# Altium PCB CSI2-ZCU106-EVK_Rev01.PcbDoc (part 3 of 4) (continued)
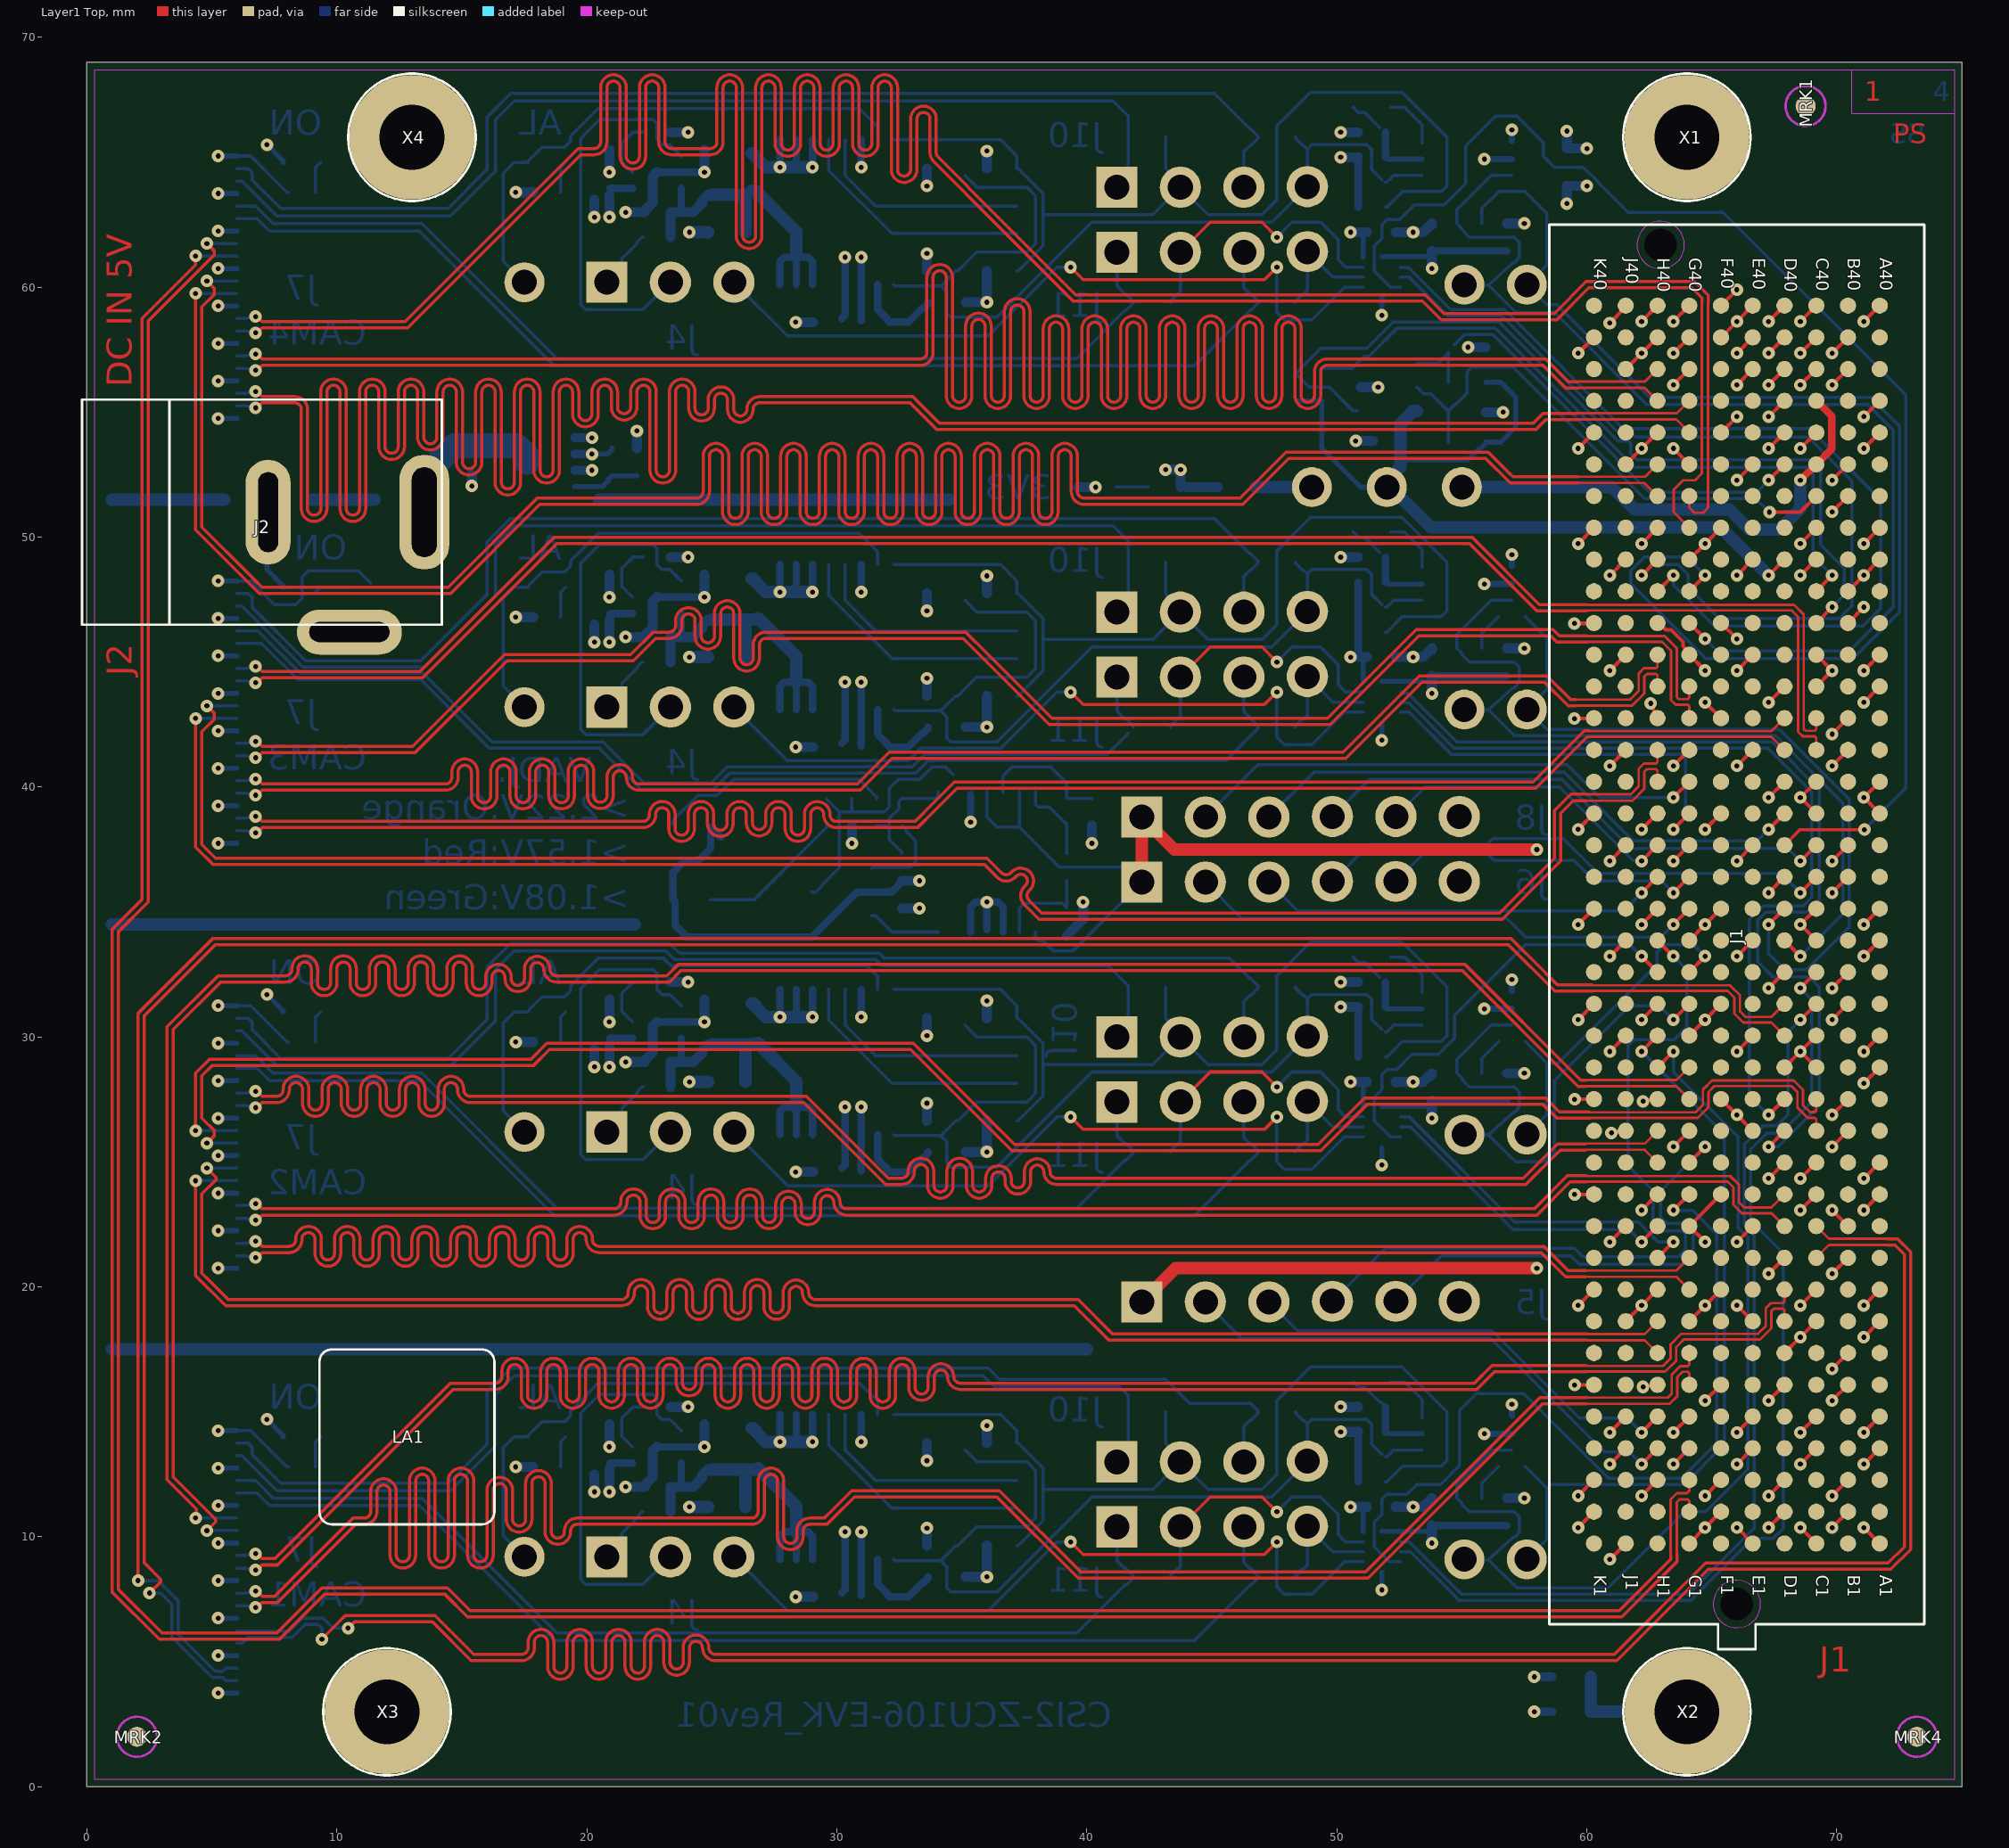
[diagram p0: Layer1 Top view]
## Nets (pads, with @x,y where several pads share a name; then routed paths per layer and width w, separated by ;. In a path a pad name is that pad's centre, name@x,y a point inside that pad or via, vN(x,y) a via of type N, cw(c..) or ccw(c..) an arc to the next point about the centre after c; other vN are vias at no path point) (continued)
  Layer4 Bottom w0.2: v1(5.25,3.75) J7_CAM1.22@6,3.75 ; v1(5.25,5.25) J7_CAM1.19@6,5.25 ; v1(5.25,6.75) J7_CAM1.16@6,6.75 ; v1(5.25,8.25) J7_CAM1.13@6,8.25 ; v1(5.25,9.75) J7_CAM1.10@6,9.75 ; v1(5.25,20.75) J7_CAM2.22@6,20.75 ; v1(5.25,22.25) J7_CAM2.19@6,22.25 ; v1(5.25,23.75) J7_CAM2.16@6,23.75 ; v1(5.25,25.25) J7_CAM2.13@6,25.25 ; v1(5.25,26.75) J7_CAM2.10@6,26.75 ; v1(5.25,37.75) J7_CAM3.22@6,37.75 ; v1(5.25,39.25) J7_CAM3.19@6,39.25 ; v1(5.25,40.75) J7_CAM3.16@6,40.75 ; v1(5.25,42.25) J7_CAM3.13@6,42.25 ; v1(5.25,43.75) J7_CAM3.10@6,43.75 ; v1(5.25,54.75) J7_CAM4.22@6,54.75 ; v1(5.25,56.25) J7_CAM4.19@6,56.25 ; v1(5.25,57.75) J7_CAM4.16@6,57.75 ; v1(5.25,59.25) J7_CAM4.13@6,59.25 ; v1(5.25,60.75) J7_CAM4.10@6,60.75 ; v1(7.2,14.7) 7.85,14.05 D6_CAM1.K@7.85,14 ; v1(7.2,31.7) 7.85,31.05 D6_CAM2.K@7.85,31 ; J2.3@7.2,49.3 7.2,48.7 7.85,48.05 D6_CAM3.K@7.85,48 ; v1(7.2,65.7) 7.85,65.05 D6_CAM4.K@7.85,65 ; v1(51.8,7.875) U9_CAM1.6@51.8,8.575 ; v1(51.8,24.875) U9_CAM2.6@51.8,25.575 ; v1(51.8,41.875) U9_CAM3.6@51.8,42.575 ; v1(51.8,58.875) U9_CAM4.6@51.8,59.575
  Layer4 Bottom w0.25: U8_CAM1.1@57,14.85 v1(57,15.3) ; U8_CAM2.1@57,31.85 v1(57,32.3) ; U8_CAM3.1@57,48.85 v1(57,49.3) ; U8_CAM4.1@57,65.85 v1(57,66.3)
  Layer4 Bottom w0.3: U7_CAM1.7@22.8,13.6 v1(24.7,13.6) ; U7_CAM2.7@22.8,30.6 v1(24.7,30.6) ; U7_CAM3.7@22.8,47.6 v1(24.7,47.6) ; U7_CAM4.7@22.8,64.6 v1(24.7,64.6) ; C13_CAM1.2@30.975,7.65 U6_CAM1.11@30.975,9.1 v1(30.975,10.2) ; v1(30.975,13.8) U6_CAM1.6@30.975,14.9 ; C13_CAM2.2@30.975,24.65 U6_CAM2.11@30.975,26.1 v1(30.975,27.2) ; v1(30.975,30.8) U6_CAM2.6@30.975,31.9 ; C13_CAM3.2@30.975,41.65 U6_CAM3.11@30.975,43.1 v1(30.975,44.2) ; v1(30.975,47.8) U6_CAM3.6@30.975,48.9 ; C13_CAM4.2@30.975,58.65 U6_CAM4.11@30.975,60.1 v1(30.975,61.2) ; v1(30.975,64.8) U6_CAM4.6@30.975,65.9 ; U1.12@35.35,34.2 35.35,35.2 35.55,35.4 v1(36,35.4) ; U1.11@36,34.3 v1(36,35.4) ; U1.10@36.65,34.2 36.65,35.2 36.45,35.4 v1(36,35.4)
  Layer4 Bottom w0.35: v1(57.9,3) C3.1@58.6,3 ; v1(57.9,4.4) R6.2@58.6,4.4
  Layer4 Bottom w0.4: v1(15.4,52.05) D2.A@15.4,52.5 ; v1(20.9,13.6) C15_CAM1.2@20.9,14.5 ; v1(20.9,30.6) C15_CAM2.2@20.9,31.5 ; v1(20.9,47.6) C15_CAM3.2@20.9,48.5 ; v1(20.9,64.6) C15_CAM4.2@20.9,65.5 ; v1(21.55,12) C16_CAM1.2@22.25,12 22.3,12 22.35,12.05 22.35,12.1 22.634,12.384 22.634,13.434 U7_CAM1.7@22.8,13.6 ; v1(21.55,29) C16_CAM2.2@22.25,29 22.3,29 22.35,29.05 22.35,29.1 22.634,29.384 22.634,30.434 U7_CAM2.7@22.8,30.6 ; v1(21.55,46) 22.3,46 22.35,46.05 22.35,46.1 22.634,46.384 22.634,47.434 U7_CAM3.7@22.8,47.6 ; v1(21.55,63) C16_CAM4.2@22.25,63 22.3,63 22.35,63.05 22.35,63.1 22.634,63.384 22.634,64.434 U7_CAM4.7@22.8,64.6 ; R32.1@22,53.55 v1(22,54.25) ; R46_CAM1.1@23.35,15.2 v1(24.05,15.2) ; R46_CAM2.1@23.35,32.2 v1(24.05,32.2) ; R46_CAM3.1@23.35,49.2 v1(24.05,49.2) ; R46_CAM4.1@23.35,66.2 v1(24.05,66.2) ; v1(24.7,13.6) C14_CAM1.2@24.7,14.5 ; v1(24.7,30.6) C14_CAM2.2@24.7,31.5 ; v1(24.7,47.6) C14_CAM3.2@24.7,48.5 ; v1(24.7,64.6) C14_CAM4.2@24.7,65.5 ; v1(28.35,7.6) C1_CAM1.2@29.05,7.6 ; v1(28.35,24.6) C1_CAM2.2@29.05,24.6 ; v1(28.35,41.6) C1_CAM3.2@29.05,41.6 ; v1(28.35,58.6) C1_CAM4.2@29.05,58.6 ; R42_CAM1.1@33.6,9.65 v1(33.6,10.35) ; v1(33.6,13.05) R41_CAM1.1@33.6,13.75 ; R42_CAM2.1@33.6,26.65 v1(33.6,27.35) ; v1(33.6,30.05) R41_CAM2.1@33.6,30.75 ; R42_CAM3.1@33.6,43.65 v1(33.6,44.35) ; v1(33.6,47.05) R41_CAM3.1@33.6,47.75 ; R42_CAM4.1@33.6,60.65 v1(33.6,61.35) ; v1(33.6,64.05) R41_CAM4.1@33.6,64.75 ; R12.2@39.2,34.05 39.85,34.7 v1(39.85,35.4) ; D1.K@39.65,52 v1(40.35,52) ; v1(50.15,15.2) C18_CAM1.2@50.85,15.2 ; v1(50.15,32.2) C18_CAM2.2@50.85,32.2 ; v1(50.15,49.2) C18_CAM3.2@50.85,49.2 ; v1(50.15,66.2) C18_CAM4.2@50.85,66.2 ; v1(50.75,53.85) C2.2@51.45,53.85 ; U2.2@50.95,56 v1(51.65,56) ; C20_CAM1.2@52.35,11.2 v1(53.05,11.2) v1(53.05,11.2) 53.451,11.201 53.7,11.45 53.75,11.45 53.8,11.5 C19_CAM1.2@53.8,11.55 ; C20_CAM2.2@52.35,28.2 v1(53.05,28.2) 53.051,28.201 53.451,28.201 53.7,28.45 53.75,28.45 53.8,28.5 C19_CAM2.2@53.8,28.55 ; C20_CAM3.2@52.35,45.2 v1(53.05,45.2) 53.051,45.201 53.451,45.201 53.7,45.45 53.75,45.45 53.8,45.5 C19_CAM3.2@53.8,45.55 ; C20_CAM4.2@52.35,62.2 v1(53.05,62.2) 53.051,62.201 53.451,62.201 53.7,62.45 53.75,62.45 53.8,62.5 C19_CAM4.2@53.8,62.55 ; v1(55.25,57.6) R15.2@55.95,57.6 ; R16.2@55.95,55 v1(56.65,55) ; C17_CAM1.2@56.8,11.55 v1(57.5,11.55) ; C17_CAM2.2@56.8,28.55 v1(57.5,28.55) ; C17_CAM3.2@56.8,45.55 v1(57.5,45.55) ; C17_CAM4.2@56.8,62.55 v1(57.5,62.55)
GPIO2_3V3_CAM1: J11_CAM1.2 R50_CAM1.2 U9_CAM1.10 | length 11.7
  Layer1 Top w0.125: J11_CAM1.2@43.74,10.4 44.94,11.6 47,11.6 v1(47.6,11)
  Layer4 Bottom w0.125: R50_CAM1.2@43.35,8.4 43.35,8.446 43.637,8.733 43.662,8.733 43.74,8.811 J11_CAM1.2@43.74,10.4 ; v1(47.6,11) 48.2,11.6 49.35,11.6 50.05,10.9 50.05,10.1 50.35,9.8 U9_CAM1.10@51.05,9.8
GPIO2_3V3_CAM2: J11_CAM2.2 R50_CAM2.2 U9_CAM2.10 | length 11.7
  Layer1 Top w0.125: J11_CAM2.2@43.74,27.4 44.94,28.6 47,28.6 v1(47.6,28)
  Layer4 Bottom w0.125: R50_CAM2.2@43.35,25.4 43.35,25.446 43.637,25.733 43.662,25.733 43.74,25.811 J11_CAM2.2@43.74,27.4 ; v1(47.6,28) 48.2,28.6 49.35,28.6 50.05,27.9 50.05,27.1 50.35,26.8 U9_CAM2.10@51.05,26.8
GPIO2_3V3_CAM3: J11_CAM3.2 R50_CAM3.2 U9_CAM3.10 | length 11.7
  Layer1 Top w0.125: J11_CAM3.2@43.74,44.4 44.94,45.6 47,45.6 v1(47.6,45)
  Layer4 Bottom w0.125: R50_CAM3.2@43.35,42.4 43.35,42.446 43.637,42.733 43.662,42.733 43.74,42.811 J11_CAM3.2@43.74,44.4 ; v1(47.6,45) 48.2,45.6 49.35,45.6 50.05,44.9 50.05,44.1 50.35,43.8 U9_CAM3.10@51.05,43.8
GPIO2_3V3_CAM4: J11_CAM4.2 R50_CAM4.2 U9_CAM4.10 | length 11.7
  Layer1 Top w0.125: J11_CAM4.2@43.74,61.4 44.94,62.6 47,62.6 v1(47.6,62)
  Layer4 Bottom w0.125: R50_CAM4.2@43.35,59.4 43.35,59.446 43.637,59.733 43.662,59.733 43.74,59.811 J11_CAM4.2@43.74,61.4 ; v1(47.6,62) 48.2,62.6 49.35,62.6 50.05,61.9 50.05,61.1 50.35,60.8 U9_CAM4.10@51.05,60.8
GPIO2_CAM1: J1.C18 U9_CAM1.2 | length 38.8
  Layer1 Top w0.15: v1(68.54,30.69) J1.C18@69.175,31.325
  Layer4 Bottom w0.125: U9_CAM1.2@52.55,9.8 52.9,9.8 55,7.7 64.046,7.7 66.529,10.182 66.532,10.182 66.7,10.35 66.7,22.072 66.586,22.186 66.3,22.472 66.3,25.7 67.042,26.442 67.592,26.442 68.05,26.9 68.05,30.2 v1(68.54,30.69)
GPIO2_CAM2: J1.H10 U9_CAM2.2 | length 13.9
  Layer1 Top w0.15: J1.H10@62.825,21.165 v1(63.46,21.8)
  Layer4 Bottom w0.125: U9_CAM2.2@52.55,26.8 52.9,26.8 57.1,22.6 62.05,22.6 62.85,21.8 v1(63.46,21.8)
GPIO2_CAM3: J1.D14 U9_CAM3.2 | length 38.5
  Layer1 Top w0.15: v1(67.27,25.61) J1.D14@67.905,26.245
  Layer4 Bottom w0.125: U9_CAM3.2@52.55,43.8 52.596,43.754 52.846,43.754 54.8,41.8 67.4,41.8 69.3,39.9 69.3,35.5 68.8,35 67.151,35 66.832,34.681 66.832,33.018 67.45,32.4 68.9,32.4 69.3,32 69.3,27.25 67.66,25.61 v1(67.27,25.61)
GPIO2_CAM4: J1.H31 U9_CAM4.2 | length 37.9
  Layer1 Top w0.15: J1.H31@62.825,47.835 v1(63.46,48.47)
  Layer4 Bottom w0.125: U9_CAM4.2@52.55,60.8 52.571,60.779 52.871,60.779 54.55,59.1 56.7,59.1 61.45,54.35 68.9,54.35 71.75,51.5 71.75,47.15 71.05,46.45 65.1,46.45 63.46,48.09 v1(63.46,48.47)
GPIO3_3V3_CAM1: J11_CAM1.4 R49_CAM1.2 U9_CAM1.9 | length 4.9
  Layer4 Bottom w0.125: R49_CAM1.2@48.35,8.4 48.35,8.446 48.637,8.733 48.683,8.733 48.82,8.87 J11_CAM1.4@48.82,10.425 49.845,9.4 U9_CAM1.9@51.05,9.4
GPIO3_3V3_CAM2: J11_CAM2.4 R49_CAM2.2 U9_CAM2.9 | length 4.9
  Layer4 Bottom w0.125: R49_CAM2.2@48.35,25.4 48.35,25.446 48.637,25.733 48.683,25.733 48.82,25.87 J11_CAM2.4@48.82,27.425 49.845,26.4 U9_CAM2.9@51.05,26.4
GPIO3_3V3_CAM3: J11_CAM3.4 R49_CAM3.2 U9_CAM3.9 | length 4.9
  Layer4 Bottom w0.125: R49_CAM3.2@48.35,42.4 48.35,42.446 48.637,42.733 48.683,42.733 48.82,42.87 J11_CAM3.4@48.82,44.425 49.845,43.4 U9_CAM3.9@51.05,43.4
GPIO3_3V3_CAM4: J11_CAM4.4 R49_CAM4.2 U9_CAM4.9 | length 4.9
  Layer4 Bottom w0.125: R49_CAM4.2@48.35,59.4 48.35,59.446 48.637,59.733 48.683,59.733 48.82,59.87 J11_CAM4.4@48.82,61.425 49.845,60.4 U9_CAM4.9@51.05,60.4
GPIO3_CAM1: J1.C19 U9_CAM1.3 | length 41.9
  Layer1 Top w0.15: v1(68.54,31.96) J1.C19@69.175,32.595
  Layer4 Bottom w0.125: U9_CAM1.3@52.55,9.4 52.946,9.4 54.596,7.75 54.896,7.45 64.15,7.45 64.45,7.75 66.632,9.932 67.451,9.932 67.85,10.331 67.85,21.35 66.55,22.65 66.55,25.509 67.191,26.15 67.75,26.15 69,27.4 69,31.5 v1(68.54,31.96)
GPIO3_CAM2: J1.H11 U9_CAM2.3 | length 12.4
  Layer1 Top w0.15: v1(62.19,21.8) J1.H11@62.825,22.435
  Layer4 Bottom w0.125: U9_CAM2.3@52.55,26.4 52.946,26.4 57.046,22.3 61.69,22.3 v1(62.19,21.8)
GPIO3_CAM3: J1.D15 U9_CAM3.3 | length 34.1
  Layer1 Top w0.15: v1(67.27,26.88) J1.D15@67.905,27.515
  Layer4 Bottom w0.125: U9_CAM3.3@52.55,43.4 52.573,43.377 52.87,43.377 54.696,41.55 67.25,41.55 69,39.8 69,35.6 68.65,35.25 67.048,35.25 66.5,34.702 66.5,27.65 v1(67.27,26.88)
GPIO3_CAM4: J1.H32 U9_CAM4.3 | length 37.3
  Layer1 Top w0.15: v1(62.19,48.47) J1.H32@62.825,49.105
  Layer4 Bottom w0.125: U9_CAM4.3@52.55,60.4 52.896,60.4 54.446,58.85 56.596,58.85 61.346,54.1 61.85,54.1 61.95,54 68.85,54 70.6,52.25 70.6,47.25 70.1,46.75 65.3,46.75 64.05,48 64.05,48.499 63.641,48.908 62.628,48.908 v1(62.19,48.47)
HA00_CC_N: J1.F5
HA00_CC_P: J1.F4
HA01_CC_N: J1.E3
HA01_CC_P: J1.E2
HA02_N: J1.K8
HA02_P: J1.K7
HA03_N: J1.J7
HA03_P: J1.J6
HA04_N: J1.F8
HA04_P: J1.F7
HA05_N: J1.E7
HA05_P: J1.E6
HA06_N: J1.K11
HA06_P: J1.K10
HA07_N: J1.J10
HA07_P: J1.J9
HA08_N: J1.F11
HA08_P: J1.F10
HA09_N: J1.E10
HA09_P: J1.E9
HA10_N: J1.K14
HA10_P: J1.K13
HA11_N: J1.J13
HA11_P: J1.J12
HA12_N: J1.F14
HA12_P: J1.F13
HA13_N: J1.E13
HA13_P: J1.E12
HA14_N: J1.J16
HA14_P: J1.J15
HA15_N: J1.F17
HA15_P: J1.F16
HA16_N: J1.E16
HA16_P: J1.E15
HA17_CC_N: J1.K17
HA17_CC_P: J1.K16
HA18_N: J1.J19
HA18_P: J1.J18
HA19_N: J1.F20
HA19_P: J1.F19
HA20_N: J1.E19
HA20_P: J1.E18
HA21_N: J1.K20
HA21_P: J1.K19
HA22_N: J1.J22
HA22_P: J1.J21
HA23_N: J1.K23
HA23_P: J1.K22
HB00_CC_N: J1.K26
HB00_CC_P: J1.K25
HB01_N: J1.J25
HB01_P: J1.J24
HB02_N: J1.F23
HB02_P: J1.F22
HB03_N: J1.E22
HB03_P: J1.E21
HB04_N: J1.F26
HB04_P: J1.F25
HB05_N: J1.E25
HB05_P: J1.E24
HB06_CC_N: J1.K29
HB06_CC_P: J1.K28
HB07_N: J1.J28
HB07_P: J1.J27
HB08_N: J1.F29
HB08_P: J1.F28
HB09_N: J1.E28
HB09_P: J1.E27
HB10_N: J1.K32
HB10_P: J1.K31
HB11_N: J1.J31
HB11_P: J1.J30
HB12_N: J1.F32
HB12_P: J1.F31
HB13_N: J1.E31
HB13_P: J1.E30
HB14_N: J1.K35
HB14_P: J1.K34
HB15_N: J1.J34
HB15_P: J1.J33
HB16_N: J1.F35
HB16_P: J1.F34
HB17_CC_N: J1.K38
HB17_CC_P: J1.K37
HB18_N: J1.J37
HB18_P: J1.J36
HB19_N: J1.E34
HB19_P: J1.E33
HB20_N: J1.F38
HB20_P: J1.F37
HB21_N: J1.E37
HB21_P: J1.E36
I2C_SCL_3V3_CAM1: J10_CAM1.4 R39_CAM1.1 R40_CAM1.1 R47_CAM1.2 R54_CAM1.1 U6_CAM1.9 U8_CAM1.6 | length 37.2
  Layer4 Bottom w0.125: U6_CAM1.9@32.275,9.1 32.325,9.05 34.154,9.05 ; R39_CAM1.1@35.125,13.475 35.6,13 37.6,13 37.95,12.65 37.95,10.75 37.6,10.4 35.596,10.4 34.846,9.65 R40_CAM1.1@34.8,9.65 34.754,9.65 34.463,9.358 34.154,9.05 ; R47_CAM1.2@48.35,15 48.35,14.954 48.637,14.667 48.683,14.667 48.82,14.53 ; R54_CAM1.1@51.8,13.3 51.4,13.7 51.4,14.5 51.2,14.7 48.99,14.7 48.82,14.53 ; R54_CAM1.1@51.95,13.2 52,13.2 52.187,13.387 52.187,13.402 52.261,13.475 U8_CAM1.6@53.4,13.475 ; 34.154,9.05 34.4,8.804 34.4,7.95 34.55,7.8 36.4,7.8 40.2,11.6 47.395,11.6 J10_CAM1.4@48.82,13.025 48.82,14.53
I2C_SCL_3V3_CAM2: J10_CAM2.4 R39_CAM2.1 R40_CAM2.1 R47_CAM2.2 R54_CAM2.1 U6_CAM2.9 U8_CAM2.6 | length 37.2
  Layer4 Bottom w0.125: U6_CAM2.9@32.275,26.1 32.325,26.05 34.154,26.05 ; R39_CAM2.1@35.125,30.475 35.6,30 37.6,30 37.95,29.65 37.95,27.75 37.6,27.4 35.596,27.4 34.846,26.65 R40_CAM2.1@34.8,26.65 34.754,26.65 34.463,26.358 34.154,26.05 ; R47_CAM2.2@48.35,32 48.35,31.954 48.637,31.667 48.683,31.667 48.82,31.53 ; R54_CAM2.1@51.8,30.3 51.4,30.7 51.4,31.5 51.2,31.7 48.99,31.7 48.82,31.53 ; R54_CAM2.1@51.95,30.2 52,30.2 52.187,30.387 52.187,30.402 52.261,30.475 U8_CAM2.6@53.4,30.475 ; 34.154,26.05 34.4,25.804 34.4,24.95 34.55,24.8 36.4,24.8 40.2,28.6 47.395,28.6 J10_CAM2.4@48.82,30.025 48.82,31.53
I2C_SCL_3V3_CAM3: J10_CAM3.4 R39_CAM3.1 R40_CAM3.1 R47_CAM3.2 R54_CAM3.1 U6_CAM3.9 U8_CAM3.6 | length 37.2
  Layer4 Bottom w0.125: U6_CAM3.9@32.275,43.1 32.325,43.05 34.154,43.05 ; R39_CAM3.1@35.125,47.475 35.6,47 37.6,47 37.95,46.65 37.95,44.75 37.6,44.4 35.596,44.4 34.846,43.65 R40_CAM3.1@34.8,43.65 34.754,43.65 34.463,43.358 34.154,43.05 ; R47_CAM3.2@48.35,49 48.35,48.954 48.637,48.667 48.683,48.667 48.82,48.53 ; R54_CAM3.1@51.8,47.3 51.4,47.7 51.4,48.5 51.2,48.7 48.99,48.7 48.82,48.53 ; R54_CAM3.1@51.95,47.2 52,47.2 52.187,47.387 52.187,47.402 52.261,47.475 U8_CAM3.6@53.4,47.475 ; 34.154,43.05 34.4,42.804 34.4,41.95 34.55,41.8 36.4,41.8 40.2,45.6 47.395,45.6 J10_CAM3.4@48.82,47.025 48.82,48.53
I2C_SCL_3V3_CAM4: J10_CAM4.4 R39_CAM4.1 R40_CAM4.1 R47_CAM4.2 R54_CAM4.1 U6_CAM4.9 U8_CAM4.6 | length 37.2
  Layer4 Bottom w0.125: U6_CAM4.9@32.275,60.1 32.325,60.05 34.154,60.05 ; R39_CAM4.1@35.125,64.475 35.6,64 37.6,64 37.95,63.65 37.95,61.75 37.6,61.4 35.596,61.4 34.846,60.65 R40_CAM4.1@34.8,60.65 34.754,60.65 34.463,60.358 34.154,60.05 ; R47_CAM4.2@48.35,66 48.35,65.954 48.637,65.667 48.683,65.667 48.82,65.53 ; R54_CAM4.1@51.8,64.3 51.4,64.7 51.4,65.5 51.2,65.7 48.99,65.7 48.82,65.53 ; R54_CAM4.1@51.95,64.2 52,64.2 52.187,64.387 52.187,64.402 52.261,64.475 U8_CAM4.6@53.4,64.475 ; 34.154,60.05 34.4,59.804 34.4,58.95 34.55,58.8 36.4,58.8 40.2,62.6 47.395,62.6 J10_CAM4.4@48.82,64.025 48.82,65.53
I2C_SCL_CAM1: J1.H16 R53_CAM1.2 TP6_CAM1.1 U8_CAM1.3 | length 41.1
  Layer1 Top w0.15: J1.H16@62.825,28.785 v1(63.46,29.42)
  Layer4 Bottom w0.125: TP6_CAM1.1@55.1,9.1 55.114,9.086 56.068,9.086 ; U8_CAM1.3@57,13.475 56.175,13.475 54.8,12.1 R53_CAM1.2@54.8,11.55 54.988,11.363 54.988,11.312 55.3,11 57.1,11 57.3,10.8 57.3,10.2 57.252,10.157 ccw(c57.336,10.064) 57.22,10.111 cw(c57,10.2) 57.067,9.972 ccw(c57.102,9.852) 57.017,9.944 56.208,9.212 56.068,9.086 ; v1(63.46,29.42) 63.46,28.59 66.05,26 66.05,22.369 66.45,21.969 66.45,12.7 64.75,11 63.9,11 60.85,7.95 57.204,7.95 56.068,9.086
I2C_SCL_CAM2: J1.G18 R53_CAM2.2 TP6_CAM2.1 U8_CAM2.3 | length 22.6
  Layer1 Top w0.15: v1(63.46,30.69) J1.G18@64.095,31.325
  Layer4 Bottom w0.125: TP6_CAM2.1@55.1,26.1 55.114,26.086 56.068,26.086 ; U8_CAM2.3@57,30.475 56.175,30.475 54.8,29.1 R53_CAM2.2@54.8,28.55 54.988,28.363 54.988,28.312 55.3,28 57.1,28 57.3,27.8 57.3,27.2 57.252,27.157 ccw(c57.336,27.064) 57.22,27.111 cw(c57,27.2) 57.067,26.972 ccw(c57.102,26.852) 57.017,26.944 56.208,26.212 56.068,26.086 ; v1(63.46,30.69) 62.9,31.25 61.7,31.25 58.7,28.25 58.7,25.4 58.3,25 57.154,25 56.068,26.086
I2C_SCL_CAM3: J1.D20 R53_CAM3.2 TP6_CAM3.1 U8_CAM3.3 | length 32.9
  Layer1 Top w0.15: J1.D20@67.905,33.865 v1(68.54,33.23)
  Layer4 Bottom w0.125: TP6_CAM3.1@55.1,43.1 55.114,43.086 56.068,43.086 ; U8_CAM3.3@57,47.475 56.175,47.475 54.8,46.1 R53_CAM3.2@54.8,45.55 54.988,45.363 54.988,45.312 55.3,45 57.1,45 57.3,44.8 57.3,44.2 57.252,44.157 ccw(c57.336,44.064) 57.22,44.111 cw(c57,44.2) 57.067,43.972 ccw(c57.102,43.852) 57.017,43.944 56.208,43.212 56.068,43.086 ; v1(68.54,33.23) 70.25,34.94 70.25,39.35 67.55,42.05 57.104,42.05 56.068,43.086
I2C_SCL_CAM4: J1.G30 R53_CAM4.2 TP6_CAM4.1 U8_CAM4.3 | length 44.4
  Layer1 Top w0.15: J1.G30@64.095,46.565 v1(64.73,45.93)
  Layer4 Bottom w0.125: TP6_CAM4.1@55.1,60.1 55.114,60.086 56.068,60.086 ; U8_CAM4.3@57,64.475 56.175,64.475 54.8,63.1 R53_CAM4.2@54.8,62.55 54.988,62.363 54.988,62.312 55.3,62 57.1,62 57.3,61.8 57.3,61.2 57.252,61.157 ccw(c57.336,61.064) 57.22,61.111 cw(c57,61.2) 57.067,60.972 ccw(c57.102,60.852) 57.017,60.944 56.208,60.212 56.068,60.086 ; v1(64.73,45.93) 65.21,45.45 70.5,45.45 72.25,47.2 72.25,54.296 71.246,55.3 62.4,55.3 58.7,59 57.154,59 56.068,60.086
I2C_SDA_3V3_CAM1: J10_CAM1.2 R36_CAM1.1 R37_CAM1.1 R48_CAM1.2 R55_CAM1.1 U6_CAM1.8 U8_CAM1.5 | length 39.3
  Layer4 Bottom w0.125: U6_CAM1.8@32.275,14.9 36.55,14.9 37.2,14.25 R36_CAM1.1@37.2,13.75 37.25,13.75 38.25,12.75 38.25,11.9 ; R37_CAM1.1@37.2,9.65 37.25,9.65 38.25,10.65 38.25,11.9 ; R48_CAM1.2@43.15,15 43.15,13.738 43.74,13.148 J10_CAM1.2@43.74,13 ; R55_CAM1.1@51.95,12.2 52,12.2 52.625,12.825 U8_CAM1.5@53.4,12.825 54.175,12.825 54.4,13.05 54.4,15 52.6,16.8 48.95,16.8 47.6,15.45 47.6,12.5 47,11.9 44.84,11.9 J10_CAM1.2@43.74,13 ; 38.25,11.9 42.64,11.9 J10_CAM1.2@43.74,13
I2C_SDA_3V3_CAM2: J10_CAM2.2 R36_CAM2.1 R37_CAM2.1 R48_CAM2.2 R55_CAM2.1 U6_CAM2.8 U8_CAM2.5 | length 39.3
  Layer4 Bottom w0.125: U6_CAM2.8@32.275,31.9 36.55,31.9 37.2,31.25 R36_CAM2.1@37.2,30.75 37.25,30.75 38.25,29.75 38.25,28.9 ; R37_CAM2.1@37.2,26.65 37.25,26.65 38.25,27.65 38.25,28.9 ; R48_CAM2.2@43.15,32 43.15,30.738 43.74,30.148 J10_CAM2.2@43.74,30 ; R55_CAM2.1@51.95,29.2 52,29.2 52.625,29.825 U8_CAM2.5@53.4,29.825 54.175,29.825 54.4,30.05 54.4,32 52.6,33.8 48.95,33.8 47.6,32.45 47.6,29.5 47,28.9 44.84,28.9 J10_CAM2.2@43.74,30 ; 38.25,28.9 42.64,28.9 J10_CAM2.2@43.74,30
I2C_SDA_3V3_CAM3: J10_CAM3.2 R36_CAM3.1 R37_CAM3.1 R48_CAM3.2 R55_CAM3.1 U6_CAM3.8 U8_CAM3.5 | length 39.3
  Layer4 Bottom w0.125: U6_CAM3.8@32.275,48.9 36.55,48.9 37.2,48.25 R36_CAM3.1@37.2,47.75 37.25,47.75 38.25,46.75 38.25,45.9 ; R37_CAM3.1@37.2,43.65 37.25,43.65 38.25,44.65 38.25,45.9 ; R48_CAM3.2@43.15,49 43.15,47.738 43.74,47.148 J10_CAM3.2@43.74,47 ; R55_CAM3.1@51.95,46.2 52,46.2 52.625,46.825 54.175,46.825 54.4,47.05 54.4,49 52.6,50.8 48.95,50.8 47.6,49.45 47.6,46.5 47,45.9 44.84,45.9 J10_CAM3.2@43.74,47 ; 38.25,45.9 42.64,45.9 J10_CAM3.2@43.74,47
I2C_SDA_3V3_CAM4: J10_CAM4.2 R36_CAM4.1 R37_CAM4.1 R48_CAM4.2 R55_CAM4.1 U6_CAM4.8 U8_CAM4.5 | length 39.3
  Layer4 Bottom w0.125: U6_CAM4.8@32.275,65.9 36.55,65.9 37.2,65.25 R36_CAM4.1@37.2,64.75 37.25,64.75 38.25,63.75 38.25,62.9 ; R37_CAM4.1@37.2,60.65 37.25,60.65 38.25,61.65 38.25,62.9 ; R48_CAM4.2@43.15,66 43.15,64.738 43.74,64.148 J10_CAM4.2@43.74,64 ; R55_CAM4.1@51.95,63.2 52,63.2 52.625,63.825 U8_CAM4.5@53.4,63.825 54.175,63.825 54.4,64.05 54.4,66 52.6,67.8 48.95,67.8 47.6,66.45 47.6,63.5 47,62.9 44.84,62.9 J10_CAM4.2@43.74,64 ; 38.25,62.9 42.64,62.9 J10_CAM4.2@43.74,64
I2C_SDA_CAM1: J1.H17 R52_CAM1.2 TP5_CAM1.1 U8_CAM1.4 | length 31.8
  Layer1 Top w0.15: v1(62.19,29.42) J1.H17@62.825,30.055
  Layer4 Bottom w0.125: R52_CAM1.2@55.8,11.55 55.8,12.15 U8_CAM1.4@56.475,12.825 ; U8_CAM1.4@57.525,12.825 58.4,11.95 ; TP5_CAM1.1@57.6,9.1 58.4,9.9 58.4,11.95 ; v1(62.19,29.42) 65.5,26.11 65.5,13.7 63.9,12.1 58.55,12.1 58.4,11.95
I2C_SDA_CAM2: J1.G19 R52_CAM2.2 TP5_CAM2.1 U8_CAM2.4 | length 15.7
  Layer1 Top w0.15: J1.G19@64.095,32.595 v1(64.73,33.23)
  Layer4 Bottom w0.125: R52_CAM2.2@55.8,28.55 55.8,29.15 U8_CAM2.4@56.475,29.825 ; U8_CAM2.4@57.525,29.825 58.4,28.95 ; TP5_CAM2.1@57.6,26.1 58.4,26.9 58.4,28.95 ; v1(64.73,33.23) 64.26,33.7 63.1,33.7 62.8,33.4 62.8,32.9 58.85,28.95 58.4,28.95
I2C_SDA_CAM3: J1.D21 R52_CAM3.2 TP5_CAM3.1 U8_CAM3.4 | length 31.7
  Layer1 Top w0.15: v1(67.27,34.5) J1.D21@67.905,35.135
  Layer4 Bottom w0.125: R52_CAM3.2@55.8,45.55 55.8,46.15 U8_CAM3.4@56.475,46.825 ; U8_CAM3.4@57.525,46.825 58.4,45.95 58.4,43.9 TP5_CAM3.1@57.6,43.1 58.4,42.3 67.7,42.3 70.5,39.5 70.5,34.4 68.8,32.7 67.9,32.7 67.27,33.33 v1(67.27,34.5)